# KiCad board LightRail_LPO_1.6T.kicad_pcb (continued)
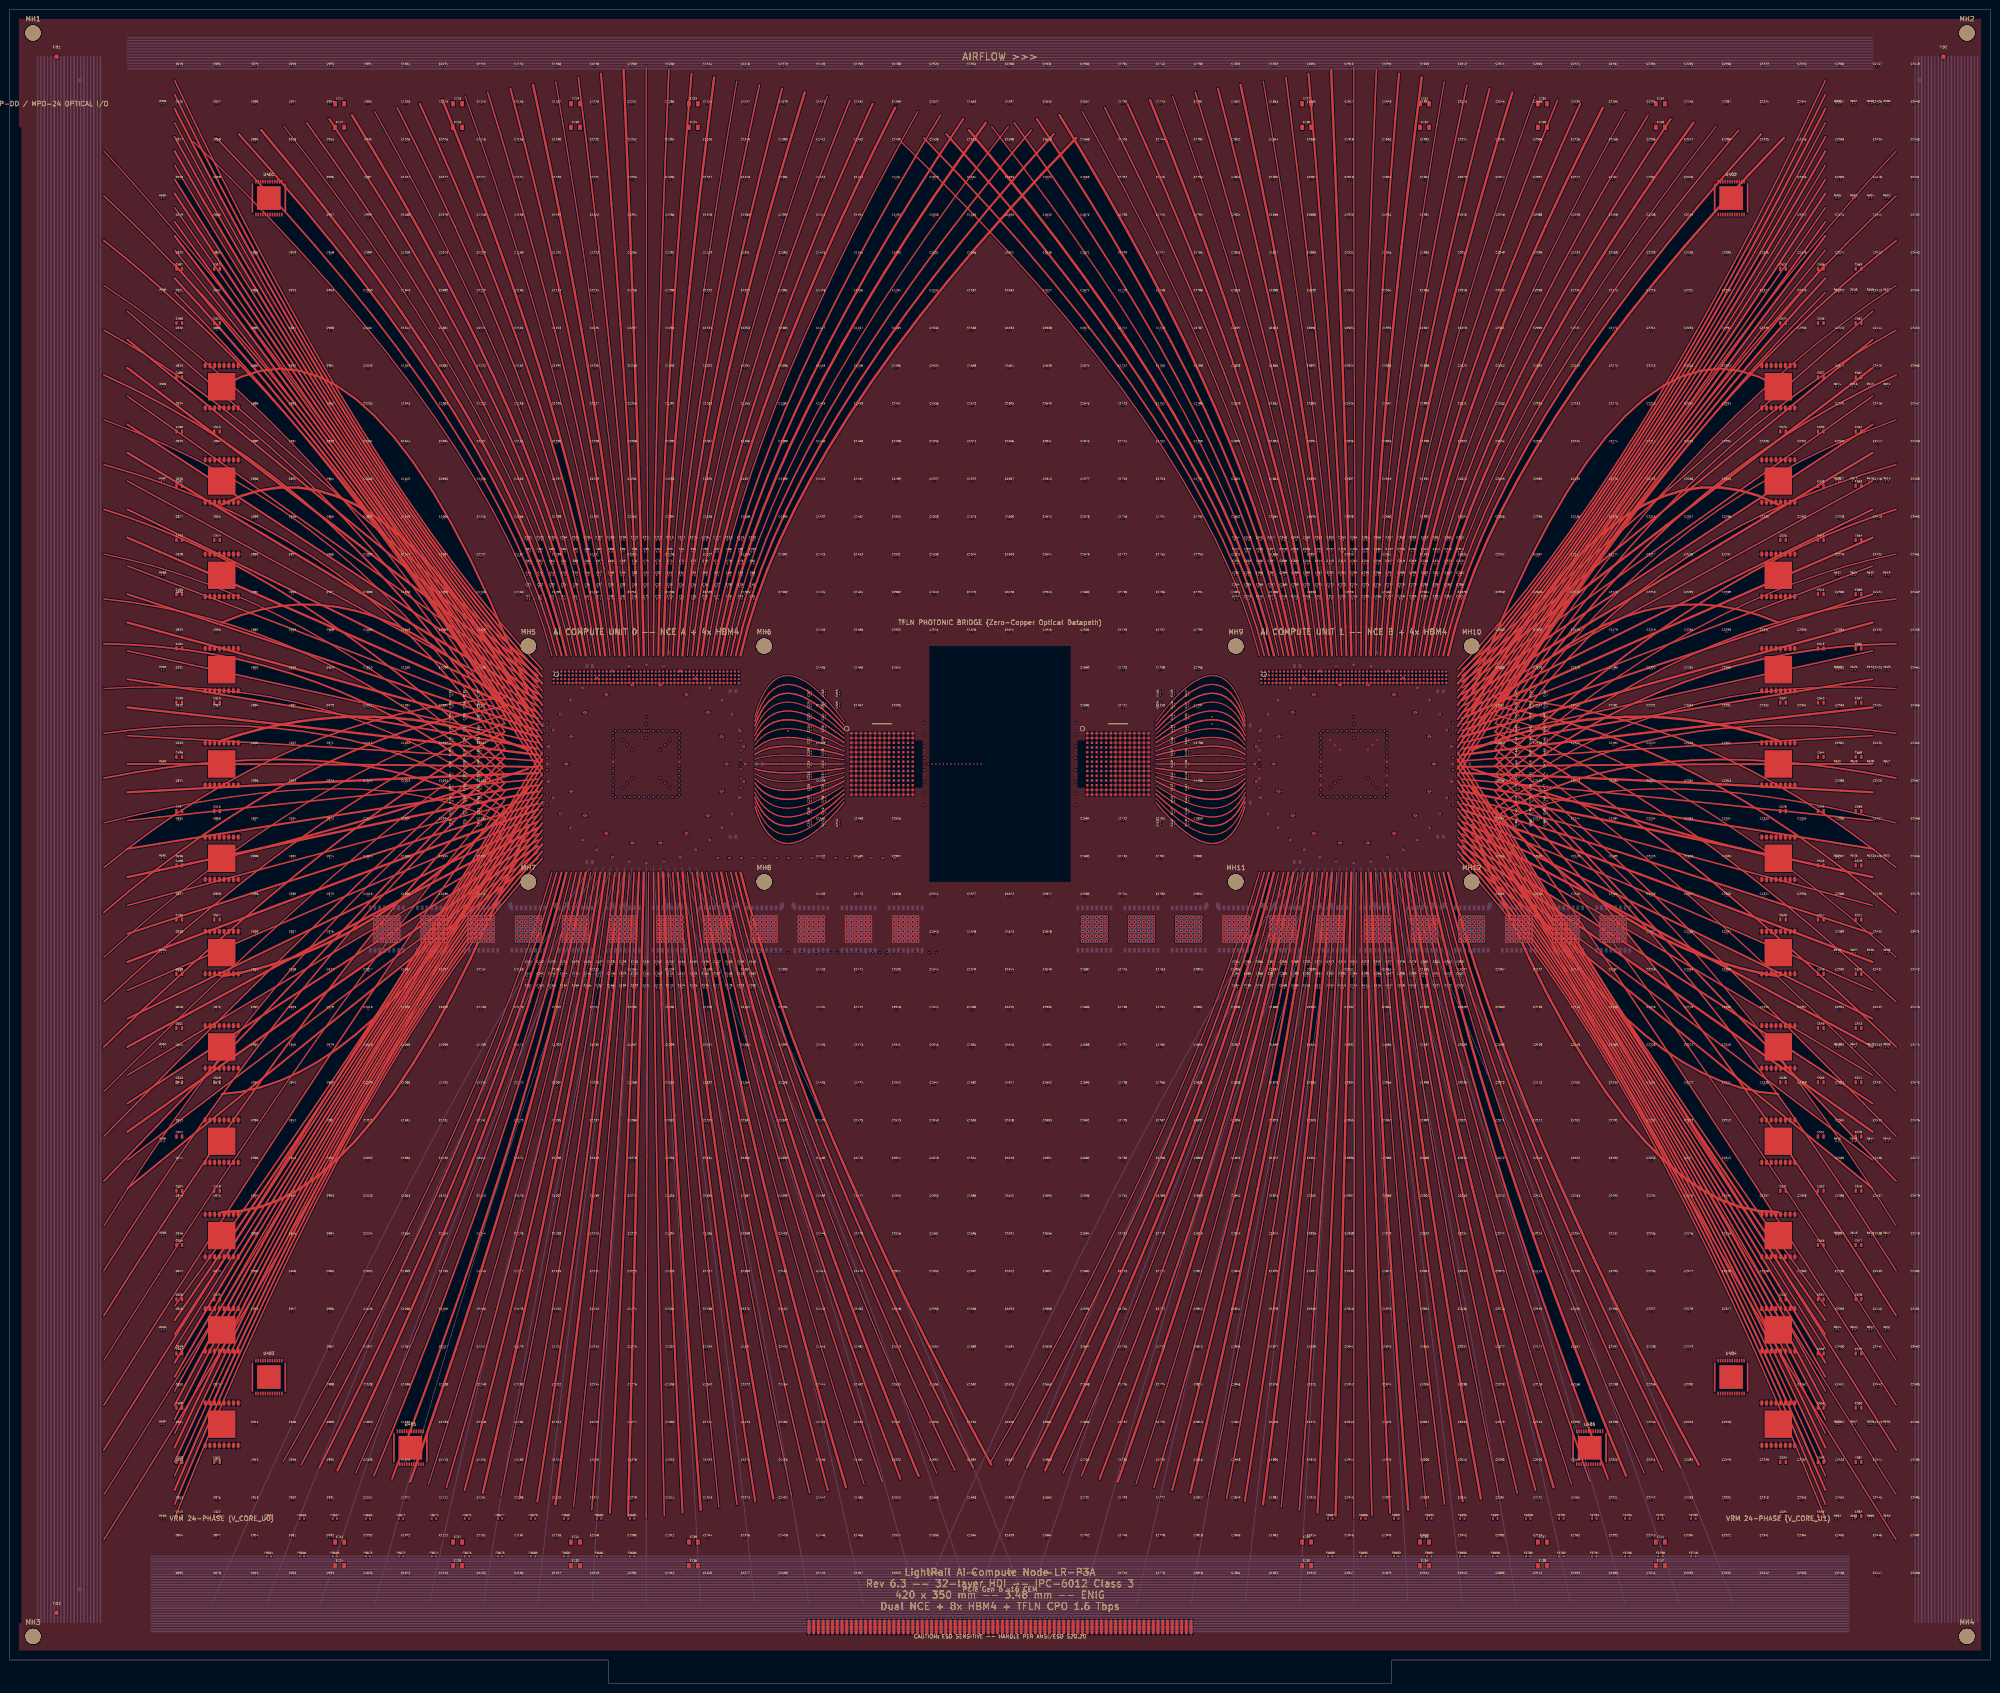
[diagram p0: board, top side]
## Placement (name value [footprint] x y rotation side) (continued)
C1768  0.6x0.3  [C_passive#2]  244 111 0 top
C1769  0.6x0.3  [C_passive#2]  244 103 0 top
C1770  0.6x0.3  [C_passive#2]  244 95 0 top
C1771  0.6x0.3  [C_passive#2]  244 87 0 top
C1772  0.6x0.3  [C_passive#2]  244 79 0 top
C1773  0.6x0.3  [C_passive#2]  244 71 0 top
C1774  0.6x0.3  [C_passive#2]  244 63 0 top
C1775  0.6x0.3  [C_passive#2]  244 55 0 top
C1776  0.6x0.3  [C_passive#2]  244 47 0 top
C1777  0.6x0.3  [C_passive#2]  244 39 0 top
C1778  0.6x0.3  [C_passive#2]  244 31 0 top
C1779  0.6x0.3  [C_passive#2]  244 23 0 top
C1780  0.6x0.3  [C_passive#2]  252 343 0 top
C1781  0.6x0.3  [C_passive#2]  252 335 0 top
C1782  0.6x0.3  [C_passive#2]  252 327 0 top
C1783  0.6x0.3  [C_passive#2]  252 319 0 top
C1784  0.6x0.3  [C_passive#2]  252 311 0 top
C1785  0.6x0.3  [C_passive#2]  252 303 0 top
C1786  0.6x0.3  [C_passive#2]  252 295 0 top
C1787  0.6x0.3  [C_passive#2]  252 287 0 top
C1788  0.6x0.3  [C_passive#2]  252 279 0 top
C1789  0.6x0.3  [C_passive#2]  252 271 0 top
C1790  0.6x0.3  [C_passive#2]  252 263 0 top
C1791  0.6x0.3  [C_passive#2]  252 255 0 top
C1792  0.6x0.3  [C_passive#2]  252 247 0 top
C1793  0.6x0.3  [C_passive#2]  252 239 0 top
C1794  0.6x0.3  [C_passive#2]  252 231 0 top
C1795  0.6x0.3  [C_passive#2]  252 223 0 top
C1796  0.6x0.3  [C_passive#2]  252 215 0 top
C1797  0.6x0.3  [C_passive#2]  252 207 0 top
C1798  0.6x0.3  [C_passive#2]  252 199 0 top
C1799  0.6x0.3  [C_passive#2]  252 191 0 top
C1800  0.6x0.3  [C_passive#2]  252 183 0 top
C1801  0.6x0.3  [C_passive#2]  252 175 0 top
C1802  0.6x0.3  [C_passive#2]  252 167 0 top
C1803  0.6x0.3  [C_passive#2]  252 151 0 top
C1804  0.6x0.3  [C_passive#2]  252 143 0 top
C1805  0.6x0.3  [C_passive#2]  252 135 0 top
C1806  0.6x0.3  [C_passive#2]  252 127 0 top
C1807  0.6x0.3  [C_passive#2]  252 119 0 top
C1808  0.6x0.3  [C_passive#2]  252 111 0 top
C1809  0.6x0.3  [C_passive#2]  252 103 0 top
C1810  0.6x0.3  [C_passive#2]  252 95 0 top
C1811  0.6x0.3  [C_passive#2]  252 87 0 top
C1812  0.6x0.3  [C_passive#2]  252 79 0 top
C1813  0.6x0.3  [C_passive#2]  252 71 0 top
C1814  0.6x0.3  [C_passive#2]  252 63 0 top
C1815  0.6x0.3  [C_passive#2]  252 55 0 top
C1816  0.6x0.3  [C_passive#2]  252 47 0 top
C1817  0.6x0.3  [C_passive#2]  252 39 0 top
C1818  0.6x0.3  [C_passive#2]  252 31 0 top
C1819  0.6x0.3  [C_passive#2]  252 23 0 top
C1820  0.6x0.3  [C_passive#2]  260 343 0 top
C1821  0.6x0.3  [C_passive#2]  260 335 0 top
C1822  0.6x0.3  [C_passive#2]  260 327 0 top
C1823  0.6x0.3  [C_passive#2]  260 319 0 top
C1824  0.6x0.3  [C_passive#2]  260 311 0 top
C1825  0.6x0.3  [C_passive#2]  260 303 0 top
C1826  0.6x0.3  [C_passive#2]  260 295 0 top
C1827  0.6x0.3  [C_passive#2]  260 287 0 top
C1828  0.6x0.3  [C_passive#2]  260 279 0 top
C1829  0.6x0.3  [C_passive#2]  260 271 0 top
C1830  0.6x0.3  [C_passive#2]  260 263 0 top
C1831  0.6x0.3  [C_passive#2]  260 255 0 top
C1832  0.6x0.3  [C_passive#2]  260 247 0 top
C1833  0.6x0.3  [C_passive#2]  260 239 0 top
C1834  0.6x0.3  [C_passive#2]  260 231 0 top
C1835  0.6x0.3  [C_passive#2]  260 151 0 top
C1836  0.6x0.3  [C_passive#2]  260 143 0 top
C1837  0.6x0.3  [C_passive#2]  260 135 0 top
C1838  0.6x0.3  [C_passive#2]  260 127 0 top
C1839  0.6x0.3  [C_passive#2]  260 119 0 top
C1840  0.6x0.3  [C_passive#2]  260 111 0 top
C1841  0.6x0.3  [C_passive#2]  260 103 0 top
C1842  0.6x0.3  [C_passive#2]  260 95 0 top
C1843  0.6x0.3  [C_passive#2]  260 87 0 top
C1844  0.6x0.3  [C_passive#2]  260 79 0 top
C1845  0.6x0.3  [C_passive#2]  260 71 0 top
C1846  0.6x0.3  [C_passive#2]  260 63 0 top
C1847  0.6x0.3  [C_passive#2]  260 55 0 top
C1848  0.6x0.3  [C_passive#2]  260 47 0 top
C1849  0.6x0.3  [C_passive#2]  260 39 0 top
C1850  0.6x0.3  [C_passive#2]  260 31 0 top
C1851  0.6x0.3  [C_passive#2]  260 23 0 top
C1852  0.6x0.3  [C_passive#2]  268 343 0 top
C1853  0.6x0.3  [C_passive#2]  268 335 0 top
C1854  0.6x0.3  [C_passive#2]  268 327 0 top
C1855  0.6x0.3  [C_passive#2]  268 319 0 top
C1856  0.6x0.3  [C_passive#2]  268 311 0 top
C1857  0.6x0.3  [C_passive#2]  268 303 0 top
C1858  0.6x0.3  [C_passive#2]  268 295 0 top
C1859  0.6x0.3  [C_passive#2]  268 287 0 top
C1860  0.6x0.3  [C_passive#2]  268 279 0 top
C1861  0.6x0.3  [C_passive#2]  268 271 0 top
C1862  0.6x0.3  [C_passive#2]  268 263 0 top
C1863  0.6x0.3  [C_passive#2]  268 255 0 top
C1864  0.6x0.3  [C_passive#2]  268 247 0 top
C1865  0.6x0.3  [C_passive#2]  268 239 0 top
C1866  0.6x0.3  [C_passive#2]  268 231 0 top
C1867  0.6x0.3  [C_passive#2]  268 151 0 top
C1868  0.6x0.3  [C_passive#2]  268 143 0 top
C1869  0.6x0.3  [C_passive#2]  268 135 0 top
C1870  0.6x0.3  [C_passive#2]  268 127 0 top
C1871  0.6x0.3  [C_passive#2]  268 119 0 top
C1872  0.6x0.3  [C_passive#2]  268 111 0 top
C1873  0.6x0.3  [C_passive#2]  268 103 0 top
C1874  0.6x0.3  [C_passive#2]  268 95 0 top
C1875  0.6x0.3  [C_passive#2]  268 87 0 top
C1876  0.6x0.3  [C_passive#2]  268 79 0 top
C1877  0.6x0.3  [C_passive#2]  268 71 0 top
C1878  0.6x0.3  [C_passive#2]  268 63 0 top
C1879  0.6x0.3  [C_passive#2]  268 55 0 top
C1880  0.6x0.3  [C_passive#2]  268 47 0 top
C1881  0.6x0.3  [C_passive#2]  268 39 0 top
C1882  0.6x0.3  [C_passive#2]  268 31 0 top
C1883  0.6x0.3  [C_passive#2]  268 23 0 top
C1884  0.6x0.3  [C_passive#2]  276 343 0 top
C1885  0.6x0.3  [C_passive#2]  276 335 0 top
C1886  0.6x0.3  [C_passive#2]  276 327 0 top
C1887  0.6x0.3  [C_passive#2]  276 319 0 top
C1888  0.6x0.3  [C_passive#2]  276 311 0 top
C1889  0.6x0.3  [C_passive#2]  276 303 0 top
C1890  0.6x0.3  [C_passive#2]  276 295 0 top
C1891  0.6x0.3  [C_passive#2]  276 287 0 top
C1892  0.6x0.3  [C_passive#2]  276 279 0 top
C1893  0.6x0.3  [C_passive#2]  276 271 0 top
C1894  0.6x0.3  [C_passive#2]  276 263 0 top
C1895  0.6x0.3  [C_passive#2]  276 255 0 top
C1896  0.6x0.3  [C_passive#2]  276 247 0 top
C1897  0.6x0.3  [C_passive#2]  276 239 0 top
C1898  0.6x0.3  [C_passive#2]  276 231 0 top
C1899  0.6x0.3  [C_passive#2]  276 151 0 top
C1900  0.6x0.3  [C_passive#2]  276 143 0 top
C1901  0.6x0.3  [C_passive#2]  276 135 0 top
C1902  0.6x0.3  [C_passive#2]  276 127 0 top
C1903  0.6x0.3  [C_passive#2]  276 119 0 top
C1904  0.6x0.3  [C_passive#2]  276 111 0 top
C1905  0.6x0.3  [C_passive#2]  276 103 0 top
C1906  0.6x0.3  [C_passive#2]  276 95 0 top
C1907  0.6x0.3  [C_passive#2]  276 87 0 top
C1908  0.6x0.3  [C_passive#2]  276 79 0 top
C1909  0.6x0.3  [C_passive#2]  276 71 0 top
C1910  0.6x0.3  [C_passive#2]  276 63 0 top
C1911  0.6x0.3  [C_passive#2]  276 55 0 top
C1912  0.6x0.3  [C_passive#2]  276 47 0 top
C1913  0.6x0.3  [C_passive#2]  276 39 0 top
C1914  0.6x0.3  [C_passive#2]  276 31 0 top
C1915  0.6x0.3  [C_passive#2]  276 23 0 top
C1916  0.6x0.3  [C_passive#2]  284 343 0 top
C1917  0.6x0.3  [C_passive#2]  284 335 0 top
C1918  0.6x0.3  [C_passive#2]  284 327 0 top
C1919  0.6x0.3  [C_passive#2]  284 319 0 top
C1920  0.6x0.3  [C_passive#2]  284 311 0 top
C1921  0.6x0.3  [C_passive#2]  284 303 0 top
C1922  0.6x0.3  [C_passive#2]  284 295 0 top
C1923  0.6x0.3  [C_passive#2]  284 287 0 top
C1924  0.6x0.3  [C_passive#2]  284 279 0 top
C1925  0.6x0.3  [C_passive#2]  284 271 0 top
C1926  0.6x0.3  [C_passive#2]  284 263 0 top
C1927  0.6x0.3  [C_passive#2]  284 255 0 top
C1928  0.6x0.3  [C_passive#2]  284 247 0 top
C1929  0.6x0.3  [C_passive#2]  284 239 0 top
C1930  0.6x0.3  [C_passive#2]  284 231 0 top
C1931  0.6x0.3  [C_passive#2]  284 151 0 top
C1932  0.6x0.3  [C_passive#2]  284 143 0 top
C1933  0.6x0.3  [C_passive#2]  284 135 0 top
C1934  0.6x0.3  [C_passive#2]  284 127 0 top
C1935  0.6x0.3  [C_passive#2]  284 119 0 top
C1936  0.6x0.3  [C_passive#2]  284 111 0 top
C1937  0.6x0.3  [C_passive#2]  284 103 0 top
C1938  0.6x0.3  [C_passive#2]  284 95 0 top
C1939  0.6x0.3  [C_passive#2]  284 87 0 top
C1940  0.6x0.3  [C_passive#2]  284 79 0 top
C1941  0.6x0.3  [C_passive#2]  284 71 0 top
C1942  0.6x0.3  [C_passive#2]  284 63 0 top
C1943  0.6x0.3  [C_passive#2]  284 55 0 top
C1944  0.6x0.3  [C_passive#2]  284 47 0 top
C1945  0.6x0.3  [C_passive#2]  284 39 0 top
C1946  0.6x0.3  [C_passive#2]  284 31 0 top
C1947  0.6x0.3  [C_passive#2]  284 23 0 top
C1948  0.6x0.3  [C_passive#2]  292 343 0 top
C1949  0.6x0.3  [C_passive#2]  292 335 0 top
C1950  0.6x0.3  [C_passive#2]  292 327 0 top
C1951  0.6x0.3  [C_passive#2]  292 319 0 top
C1952  0.6x0.3  [C_passive#2]  292 311 0 top
C1953  0.6x0.3  [C_passive#2]  292 303 0 top
C1954  0.6x0.3  [C_passive#2]  292 295 0 top
C1955  0.6x0.3  [C_passive#2]  292 287 0 top
C1956  0.6x0.3  [C_passive#2]  292 279 0 top
C1957  0.6x0.3  [C_passive#2]  292 271 0 top
C1958  0.6x0.3  [C_passive#2]  292 263 0 top
C1959  0.6x0.3  [C_passive#2]  292 255 0 top
C1960  0.6x0.3  [C_passive#2]  292 247 0 top
C1961  0.6x0.3  [C_passive#2]  292 239 0 top
C1962  0.6x0.3  [C_passive#2]  292 231 0 top
C1963  0.6x0.3  [C_passive#2]  292 151 0 top
C1964  0.6x0.3  [C_passive#2]  292 143 0 top
C1965  0.6x0.3  [C_passive#2]  292 135 0 top
C1966  0.6x0.3  [C_passive#2]  292 127 0 top
C1967  0.6x0.3  [C_passive#2]  292 119 0 top
C1968  0.6x0.3  [C_passive#2]  292 111 0 top
C1969  0.6x0.3  [C_passive#2]  292 103 0 top
C1970  0.6x0.3  [C_passive#2]  292 95 0 top
C1971  0.6x0.3  [C_passive#2]  292 87 0 top
C1972  0.6x0.3  [C_passive#2]  292 79 0 top
C1973  0.6x0.3  [C_passive#2]  292 71 0 top
C1974  0.6x0.3  [C_passive#2]  292 63 0 top
C1975  0.6x0.3  [C_passive#2]  292 55 0 top
C1976  0.6x0.3  [C_passive#2]  292 47 0 top
C1977  0.6x0.3  [C_passive#2]  292 39 0 top
C1978  0.6x0.3  [C_passive#2]  292 31 0 top
C1979  0.6x0.3  [C_passive#2]  292 23 0 top
C1980  0.6x0.3  [C_passive#2]  300 343 0 top
C1981  0.6x0.3  [C_passive#2]  300 335 0 top
C1982  0.6x0.3  [C_passive#2]  300 327 0 top
C1983  0.6x0.3  [C_passive#2]  300 319 0 top
C1984  0.6x0.3  [C_passive#2]  300 311 0 top
C1985  0.6x0.3  [C_passive#2]  300 303 0 top
C1986  0.6x0.3  [C_passive#2]  300 295 0 top
C1987  0.6x0.3  [C_passive#2]  300 287 0 top
C1988  0.6x0.3  [C_passive#2]  300 279 0 top
C1989  0.6x0.3  [C_passive#2]  300 271 0 top
C1990  0.6x0.3  [C_passive#2]  300 263 0 top
C1991  0.6x0.3  [C_passive#2]  300 255 0 top
C1992  0.6x0.3  [C_passive#2]  300 247 0 top
C1993  0.6x0.3  [C_passive#2]  300 239 0 top
C1994  0.6x0.3  [C_passive#2]  300 231 0 top
C1995  0.6x0.3  [C_passive#2]  300 151 0 top
C1996  0.6x0.3  [C_passive#2]  300 143 0 top
C1997  0.6x0.3  [C_passive#2]  300 135 0 top
C1998  0.6x0.3  [C_passive#2]  300 127 0 top
C1999  0.6x0.3  [C_passive#2]  300 119 0 top
C2000  0.6x0.3  [C_passive#2]  300 111 0 top
C2001  0.6x0.3  [C_passive#2]  300 103 0 top
C2002  0.6x0.3  [C_passive#2]  300 95 0 top
C2003  0.6x0.3  [C_passive#2]  300 87 0 top
C2004  0.6x0.3  [C_passive#2]  300 79 0 top
C2005  0.6x0.3  [C_passive#2]  300 71 0 top
C2006  0.6x0.3  [C_passive#2]  300 63 0 top
C2007  0.6x0.3  [C_passive#2]  300 55 0 top
C2008  0.6x0.3  [C_passive#2]  300 47 0 top
C2009  0.6x0.3  [C_passive#2]  300 39 0 top
C2010  0.6x0.3  [C_passive#2]  300 31 0 top
C2011  0.6x0.3  [C_passive#2]  300 23 0 top
C2012  0.6x0.3  [C_passive#2]  308 343 0 top
C2013  0.6x0.3  [C_passive#2]  308 335 0 top
C2014  0.6x0.3  [C_passive#2]  308 327 0 top
C2015  0.6x0.3  [C_passive#2]  308 319 0 top
C2016  0.6x0.3  [C_passive#2]  308 311 0 top
C2017  0.6x0.3  [C_passive#2]  308 303 0 top
C2018  0.6x0.3  [C_passive#2]  308 295 0 top
C2019  0.6x0.3  [C_passive#2]  308 287 0 top
C2020  0.6x0.3  [C_passive#2]  308 279 0 top
C2021  0.6x0.3  [C_passive#2]  308 271 0 top
C2022  0.6x0.3  [C_passive#2]  308 263 0 top
C2023  0.6x0.3  [C_passive#2]  308 255 0 top
C2024  0.6x0.3  [C_passive#2]  308 247 0 top
C2025  0.6x0.3  [C_passive#2]  308 239 0 top
C2026  0.6x0.3  [C_passive#2]  308 231 0 top
C2027  0.6x0.3  [C_passive#2]  308 151 0 top
C2028  0.6x0.3  [C_passive#2]  308 143 0 top
C2029  0.6x0.3  [C_passive#2]  308 135 0 top
C2030  0.6x0.3  [C_passive#2]  308 127 0 top
C2031  0.6x0.3  [C_passive#2]  308 119 0 top
C2032  0.6x0.3  [C_passive#2]  308 111 0 top
C2033  0.6x0.3  [C_passive#2]  308 103 0 top
C2034  0.6x0.3  [C_passive#2]  308 95 0 top
C2035  0.6x0.3  [C_passive#2]  308 87 0 top
C2036  0.6x0.3  [C_passive#2]  308 79 0 top
C2037  0.6x0.3  [C_passive#2]  308 71 0 top
C2038  0.6x0.3  [C_passive#2]  308 63 0 top
C2039  0.6x0.3  [C_passive#2]  308 55 0 top
C2040  0.6x0.3  [C_passive#2]  308 47 0 top
C2041  0.6x0.3  [C_passive#2]  308 39 0 top
C2042  0.6x0.3  [C_passive#2]  308 31 0 top
C2043  0.6x0.3  [C_passive#2]  308 23 0 top
C2044  0.6x0.3  [C_passive#2]  316 343 0 top
C2045  0.6x0.3  [C_passive#2]  316 335 0 top
C2046  0.6x0.3  [C_passive#2]  316 327 0 top
C2047  0.6x0.3  [C_passive#2]  316 319 0 top
C2048  0.6x0.3  [C_passive#2]  316 311 0 top
C2049  0.6x0.3  [C_passive#2]  316 303 0 top
C2050  0.6x0.3  [C_passive#2]  316 295 0 top
C2051  0.6x0.3  [C_passive#2]  316 287 0 top
C2052  0.6x0.3  [C_passive#2]  316 279 0 top
C2053  0.6x0.3  [C_passive#2]  316 271 0 top
C2054  0.6x0.3  [C_passive#2]  316 263 0 top
C2055  0.6x0.3  [C_passive#2]  316 255 0 top
C2056  0.6x0.3  [C_passive#2]  316 247 0 top
C2057  0.6x0.3  [C_passive#2]  316 239 0 top
C2058  0.6x0.3  [C_passive#2]  316 231 0 top
C2059  0.6x0.3  [C_passive#2]  316 223 0 top
C2060  0.6x0.3  [C_passive#2]  316 215 0 top
C2061  0.6x0.3  [C_passive#2]  316 207 0 top
C2062  0.6x0.3  [C_passive#2]  316 199 0 top
C2063  0.6x0.3  [C_passive#2]  316 191 0 top
C2064  0.6x0.3  [C_passive#2]  316 183 0 top
C2065  0.6x0.3  [C_passive#2]  316 175 0 top
C2066  0.6x0.3  [C_passive#2]  316 167 0 top
C2067  0.6x0.3  [C_passive#2]  316 151 0 top
C2068  0.6x0.3  [C_passive#2]  316 143 0 top
C2069  0.6x0.3  [C_passive#2]  316 135 0 top
C2070  0.6x0.3  [C_passive#2]  316 127 0 top
C2071  0.6x0.3  [C_passive#2]  316 119 0 top
C2072  0.6x0.3  [C_passive#2]  316 111 0 top
C2073  0.6x0.3  [C_passive#2]  316 103 0 top
C2074  0.6x0.3  [C_passive#2]  316 95 0 top
C2075  0.6x0.3  [C_passive#2]  316 87 0 top
C2076  0.6x0.3  [C_passive#2]  316 79 0 top
C2077  0.6x0.3  [C_passive#2]  316 71 0 top
C2078  0.6x0.3  [C_passive#2]  316 63 0 top
C2079  0.6x0.3  [C_passive#2]  316 55 0 top
C2080  0.6x0.3  [C_passive#2]  316 47 0 top
C2081  0.6x0.3  [C_passive#2]  316 39 0 top
C2082  0.6x0.3  [C_passive#2]  316 31 0 top
C2083  0.6x0.3  [C_passive#2]  316 23 0 top
C2084  0.6x0.3  [C_passive#2]  324 343 0 top
C2085  0.6x0.3  [C_passive#2]  324 335 0 top
C2086  0.6x0.3  [C_passive#2]  324 327 0 top
C2087  0.6x0.3  [C_passive#2]  324 319 0 top
C2088  0.6x0.3  [C_passive#2]  324 311 0 top
C2089  0.6x0.3  [C_passive#2]  324 303 0 top
C2090  0.6x0.3  [C_passive#2]  324 295 0 top
C2091  0.6x0.3  [C_passive#2]  324 287 0 top
C2092  0.6x0.3  [C_passive#2]  324 279 0 top
C2093  0.6x0.3  [C_passive#2]  324 271 0 top
C2094  0.6x0.3  [C_passive#2]  324 263 0 top
C2095  0.6x0.3  [C_passive#2]  324 255 0 top
C2096  0.6x0.3  [C_passive#2]  324 247 0 top
C2097  0.6x0.3  [C_passive#2]  324 239 0 top
C2098  0.6x0.3  [C_passive#2]  324 231 0 top
C2099  0.6x0.3  [C_passive#2]  324 223 0 top
C2100  0.6x0.3  [C_passive#2]  324 215 0 top
C2101  0.6x0.3  [C_passive#2]  324 207 0 top
C2102  0.6x0.3  [C_passive#2]  324 199 0 top
C2103  0.6x0.3  [C_passive#2]  324 191 0 top
C2104  0.6x0.3  [C_passive#2]  324 183 0 top
C2105  0.6x0.3  [C_passive#2]  324 175 0 top
C2106  0.6x0.3  [C_passive#2]  324 167 0 top
C2107  0.6x0.3  [C_passive#2]  324 151 0 top
C2108  0.6x0.3  [C_passive#2]  324 143 0 top
C2109  0.6x0.3  [C_passive#2]  324 135 0 top
C2110  0.6x0.3  [C_passive#2]  324 127 0 top
C2111  0.6x0.3  [C_passive#2]  324 119 0 top
C2112  0.6x0.3  [C_passive#2]  324 111 0 top
C2113  0.6x0.3  [C_passive#2]  324 103 0 top
C2114  0.6x0.3  [C_passive#2]  324 95 0 top
C2115  0.6x0.3  [C_passive#2]  324 87 0 top
C2116  0.6x0.3  [C_passive#2]  324 79 0 top
C2117  0.6x0.3  [C_passive#2]  324 71 0 top
C2118  0.6x0.3  [C_passive#2]  324 63 0 top
C2119  0.6x0.3  [C_passive#2]  324 55 0 top
C2120  0.6x0.3  [C_passive#2]  324 47 0 top
C2121  0.6x0.3  [C_passive#2]  324 39 0 top
C2122  0.6x0.3  [C_passive#2]  324 31 0 top
C2123  0.6x0.3  [C_passive#2]  324 23 0 top
C2124  0.6x0.3  [C_passive#2]  332 343 0 top
C2125  0.6x0.3  [C_passive#2]  332 335 0 top
C2126  0.6x0.3  [C_passive#2]  332 327 0 top
C2127  0.6x0.3  [C_passive#2]  332 319 0 top
C2128  0.6x0.3  [C_passive#2]  332 311 0 top
C2129  0.6x0.3  [C_passive#2]  332 303 0 top
C2130  0.6x0.3  [C_passive#2]  332 295 0 top
C2131  0.6x0.3  [C_passive#2]  332 287 0 top
C2132  0.6x0.3  [C_passive#2]  332 279 0 top
C2133  0.6x0.3  [C_passive#2]  332 271 0 top
C2134  0.6x0.3  [C_passive#2]  332 263 0 top
C2135  0.6x0.3  [C_passive#2]  332 255 0 top
C2136  0.6x0.3  [C_passive#2]  332 247 0 top
C2137  0.6x0.3  [C_passive#2]  332 239 0 top
C2138  0.6x0.3  [C_passive#2]  332 231 0 top
C2139  0.6x0.3  [C_passive#2]  332 223 0 top
C2140  0.6x0.3  [C_passive#2]  332 215 0 top
C2141  0.6x0.3  [C_passive#2]  332 207 0 top
C2142  0.6x0.3  [C_passive#2]  332 199 0 top
C2143  0.6x0.3  [C_passive#2]  332 191 0 top
C2144  0.6x0.3  [C_passive#2]  332 183 0 top
C2145  0.6x0.3  [C_passive#2]  332 175 0 top
C2146  0.6x0.3  [C_passive#2]  332 167 0 top
C2147  0.6x0.3  [C_passive#2]  332 151 0 top
C2148  0.6x0.3  [C_passive#2]  332 143 0 top
C2149  0.6x0.3  [C_passive#2]  332 135 0 top
C2150  0.6x0.3  [C_passive#2]  332 127 0 top
C2151  0.6x0.3  [C_passive#2]  332 119 0 top
C2152  0.6x0.3  [C_passive#2]  332 111 0 top
C2153  0.6x0.3  [C_passive#2]  332 103 0 top
C2154  0.6x0.3  [C_passive#2]  332 95 0 top
C2155  0.6x0.3  [C_passive#2]  332 87 0 top
C2156  0.6x0.3  [C_passive#2]  332 79 0 top
C2157  0.6x0.3  [C_passive#2]  332 71 0 top
C2158  0.6x0.3  [C_passive#2]  332 63 0 top
C2159  0.6x0.3  [C_passive#2]  332 55 0 top
C2160  0.6x0.3  [C_passive#2]  332 47 0 top
C2161  0.6x0.3  [C_passive#2]  332 39 0 top
C2162  0.6x0.3  [C_passive#2]  332 31 0 top
C2163  0.6x0.3  [C_passive#2]  332 23 0 top
C2164  0.6x0.3  [C_passive#2]  340 343 0 top
C2165  0.6x0.3  [C_passive#2]  340 335 0 top
C2166  0.6x0.3  [C_passive#2]  340 327 0 top
C2167  0.6x0.3  [C_passive#2]  340 319 0 top
C2168  0.6x0.3  [C_passive#2]  340 311 0 top
C2169  0.6x0.3  [C_passive#2]  340 303 0 top
C2170  0.6x0.3  [C_passive#2]  340 295 0 top
C2171  0.6x0.3  [C_passive#2]  340 287 0 top
C2172  0.6x0.3  [C_passive#2]  340 279 0 top
C2173  0.6x0.3  [C_passive#2]  340 271 0 top
C2174  0.6x0.3  [C_passive#2]  340 263 0 top
C2175  0.6x0.3  [C_passive#2]  340 255 0 top
C2176  0.6x0.3  [C_passive#2]  340 247 0 top
C2177  0.6x0.3  [C_passive#2]  340 239 0 top
C2178  0.6x0.3  [C_passive#2]  340 231 0 top
C2179  0.6x0.3  [C_passive#2]  340 223 0 top
C2180  0.6x0.3  [C_passive#2]  340 215 0 top
C2181  0.6x0.3  [C_passive#2]  340 207 0 top
C2182  0.6x0.3  [C_passive#2]  340 199 0 top
C2183  0.6x0.3  [C_passive#2]  340 191 0 top
C2184  0.6x0.3  [C_passive#2]  340 183 0 top
C2185  0.6x0.3  [C_passive#2]  340 175 0 top
C2186  0.6x0.3  [C_passive#2]  340 167 0 top
C2187  0.6x0.3  [C_passive#2]  340 151 0 top
C2188  0.6x0.3  [C_passive#2]  340 143 0 top
C2189  0.6x0.3  [C_passive#2]  340 135 0 top
C2190  0.6x0.3  [C_passive#2]  340 127 0 top
C2191  0.6x0.3  [C_passive#2]  340 119 0 top
C2192  0.6x0.3  [C_passive#2]  340 111 0 top
C2193  0.6x0.3  [C_passive#2]  340 103 0 top
C2194  0.6x0.3  [C_passive#2]  340 95 0 top
C2195  0.6x0.3  [C_passive#2]  340 87 0 top
C2196  0.6x0.3  [C_passive#2]  340 79 0 top
C2197  0.6x0.3  [C_passive#2]  340 71 0 top
C2198  0.6x0.3  [C_passive#2]  340 63 0 top
C2199  0.6x0.3  [C_passive#2]  340 55 0 top
C2200  0.6x0.3  [C_passive#2]  340 47 0 top
C2201  0.6x0.3  [C_passive#2]  340 39 0 top
C2202  0.6x0.3  [C_passive#2]  340 31 0 top
C2203  0.6x0.3  [C_passive#2]  340 23 0 top
C2204  0.6x0.3  [C_passive#2]  348 343 0 top
C2205  0.6x0.3  [C_passive#2]  348 335 0 top
C2206  0.6x0.3  [C_passive#2]  348 327 0 top
C2207  0.6x0.3  [C_passive#2]  348 319 0 top
C2208  0.6x0.3  [C_passive#2]  348 311 0 top
C2209  0.6x0.3  [C_passive#2]  348 303 0 top
C2210  0.6x0.3  [C_passive#2]  348 295 0 top
C2211  0.6x0.3  [C_passive#2]  348 287 0 top
C2212  0.6x0.3  [C_passive#2]  348 279 0 top
C2213  0.6x0.3  [C_passive#2]  348 271 0 top
C2214  0.6x0.3  [C_passive#2]  348 263 0 top
C2215  0.6x0.3  [C_passive#2]  348 255 0 top
C2216  0.6x0.3  [C_passive#2]  348 247 0 top
C2217  0.6x0.3  [C_passive#2]  348 239 0 top
C2218  0.6x0.3  [C_passive#2]  348 231 0 top
C2219  0.6x0.3  [C_passive#2]  348 223 0 top
C2220  0.6x0.3  [C_passive#2]  348 215 0 top
C2221  0.6x0.3  [C_passive#2]  348 207 0 top
C2222  0.6x0.3  [C_passive#2]  348 199 0 top
C2223  0.6x0.3  [C_passive#2]  348 191 0 top
C2224  0.6x0.3  [C_passive#2]  348 183 0 top
C2225  0.6x0.3  [C_passive#2]  348 175 0 top
C2226  0.6x0.3  [C_passive#2]  348 167 0 top
C2227  0.6x0.3  [C_passive#2]  348 159 0 top
C2228  0.6x0.3  [C_passive#2]  348 151 0 top
C2229  0.6x0.3  [C_passive#2]  348 143 0 top
C2230  0.6x0.3  [C_passive#2]  348 135 0 top
C2231  0.6x0.3  [C_passive#2]  348 127 0 top
C2232  0.6x0.3  [C_passive#2]  348 119 0 top
C2233  0.6x0.3  [C_passive#2]  348 111 0 top
C2234  0.6x0.3  [C_passive#2]  348 103 0 top
C2235  0.6x0.3  [C_passive#2]  348 95 0 top
C2236  0.6x0.3  [C_passive#2]  348 87 0 top
C2237  0.6x0.3  [C_passive#2]  348 79 0 top
C2238  0.6x0.3  [C_passive#2]  348 71 0 top
C2239  0.6x0.3  [C_passive#2]  348 63 0 top
C2240  0.6x0.3  [C_passive#2]  348 55 0 top
C2241  0.6x0.3  [C_passive#2]  348 47 0 top
C2242  0.6x0.3  [C_passive#2]  348 39 0 top
C2243  0.6x0.3  [C_passive#2]  348 31 0 top
C2244  0.6x0.3  [C_passive#2]  348 23 0 top
C2245  0.6x0.3  [C_passive#2]  356 343 0 top
C2246  0.6x0.3  [C_passive#2]  356 335 0 top
C2247  0.6x0.3  [C_passive#2]  356 327 0 top
C2248  0.6x0.3  [C_passive#2]  356 319 0 top
C2249  0.6x0.3  [C_passive#2]  356 311 0 top
C2250  0.6x0.3  [C_passive#2]  356 303 0 top
C2251  0.6x0.3  [C_passive#2]  356 295 0 top
C2252  0.6x0.3  [C_passive#2]  356 287 0 top
C2253  0.6x0.3  [C_passive#2]  356 279 0 top
C2254  0.6x0.3  [C_passive#2]  356 271 0 top
C2255  0.6x0.3  [C_passive#2]  356 263 0 top
C2256  0.6x0.3  [C_passive#2]  356 255 0 top
C2257  0.6x0.3  [C_passive#2]  356 247 0 top
C2258  0.6x0.3  [C_passive#2]  356 239 0 top
C2259  0.6x0.3  [C_passive#2]  356 231 0 top
C2260  0.6x0.3  [C_passive#2]  356 223 0 top
C2261  0.6x0.3  [C_passive#2]  356 215 0 top
C2262  0.6x0.3  [C_passive#2]  356 207 0 top
C2263  0.6x0.3  [C_passive#2]  356 199 0 top
C2264  0.6x0.3  [C_passive#2]  356 191 0 top
C2265  0.6x0.3  [C_passive#2]  356 183 0 top
C2266  0.6x0.3  [C_passive#2]  356 175 0 top
C2267  0.6x0.3  [C_passive#2]  356 167 0 top
C2268  0.6x0.3  [C_passive#2]  356 159 0 top
C2269  0.6x0.3  [C_passive#2]  356 151 0 top
C2270  0.6x0.3  [C_passive#2]  356 143 0 top
C2271  0.6x0.3  [C_passive#2]  356 135 0 top
C2272  0.6x0.3  [C_passive#2]  356 127 0 top
C2273  0.6x0.3  [C_passive#2]  356 119 0 top
C2274  0.6x0.3  [C_passive#2]  356 111 0 top
C2275  0.6x0.3  [C_passive#2]  356 103 0 top
C2276  0.6x0.3  [C_passive#2]  356 95 0 top
C2277  0.6x0.3  [C_passive#2]  356 87 0 top
C2278  0.6x0.3  [C_passive#2]  356 79 0 top
C2279  0.6x0.3  [C_passive#2]  356 71 0 top
C2280  0.6x0.3  [C_passive#2]  356 63 0 top
C2281  0.6x0.3  [C_passive#2]  356 55 0 top
C2282  0.6x0.3  [C_passive#2]  356 47 0 top
C2283  0.6x0.3  [C_passive#2]  356 39 0 top
C2284  0.6x0.3  [C_passive#2]  356 31 0 top
C2285  0.6x0.3  [C_passive#2]  356 23 0 top
C2286  0.6x0.3  [C_passive#2]  364 343 0 top
C2287  0.6x0.3  [C_passive#2]  364 335 0 top
C2288  0.6x0.3  [C_passive#2]  364 327 0 top
C2289  0.6x0.3  [C_passive#2]  364 303 0 top
C2290  0.6x0.3  [C_passive#2]  364 295 0 top
C2291  0.6x0.3  [C_passive#2]  364 287 0 top
C2292  0.6x0.3  [C_passive#2]  364 279 0 top
C2293  0.6x0.3  [C_passive#2]  364 271 0 top
C2294  0.6x0.3  [C_passive#2]  364 263 0 top
C2295  0.6x0.3  [C_passive#2]  364 255 0 top
C2296  0.6x0.3  [C_passive#2]  364 247 0 top
C2297  0.6x0.3  [C_passive#2]  364 239 0 top
C2298  0.6x0.3  [C_passive#2]  364 231 0 top
C2299  0.6x0.3  [C_passive#2]  364 223 0 top
C2300  0.6x0.3  [C_passive#2]  364 215 0 top
C2301  0.6x0.3  [C_passive#2]  364 207 0 top
C2302  0.6x0.3  [C_passive#2]  364 199 0 top
C2303  0.6x0.3  [C_passive#2]  364 191 0 top
C2304  0.6x0.3  [C_passive#2]  364 183 0 top
C2305  0.6x0.3  [C_passive#2]  364 175 0 top
C2306  0.6x0.3  [C_passive#2]  364 167 0 top
C2307  0.6x0.3  [C_passive#2]  364 159 0 top
C2308  0.6x0.3  [C_passive#2]  364 151 0 top
C2309  0.6x0.3  [C_passive#2]  364 143 0 top
C2310  0.6x0.3  [C_passive#2]  364 135 0 top
C2311  0.6x0.3  [C_passive#2]  364 127 0 top
C2312  0.6x0.3  [C_passive#2]  364 119 0 top
C2313  0.6x0.3  [C_passive#2]  364 111 0 top
C2314  0.6x0.3  [C_passive#2]  364 103 0 top
C2315  0.6x0.3  [C_passive#2]  364 95 0 top
C2316  0.6x0.3  [C_passive#2]  364 87 0 top
C2317  0.6x0.3  [C_passive#2]  364 79 0 top
C2318  0.6x0.3  [C_passive#2]  364 55 0 top
C2319  0.6x0.3  [C_passive#2]  364 47 0 top
C2320  0.6x0.3  [C_passive#2]  364 39 0 top
C2321  0.6x0.3  [C_passive#2]  364 31 0 top
C2322  0.6x0.3  [C_passive#2]  364 23 0 top
C2323  0.6x0.3  [C_passive#2]  372 343 0 top
C2324  0.6x0.3  [C_passive#2]  372 335 0 top
C2325  0.6x0.3  [C_passive#2]  372 327 0 top
